# Altium PCB PS1-1B-BASIS.PcbDoc (part 5 of 7)
Units mm, origin at the board's own origin, x right, y up, seen from the top; angles counter-clockwise.
Board outline 88 x 170 mm, 6 copper layers (Top Layer, Mid 1, Mid 2 (GND), Mid 3 (PWR), Mid 4, Bottom Layer), stack 1.55 mm thick; 633 components, 333 nets, 1767 pads, 930 vias.
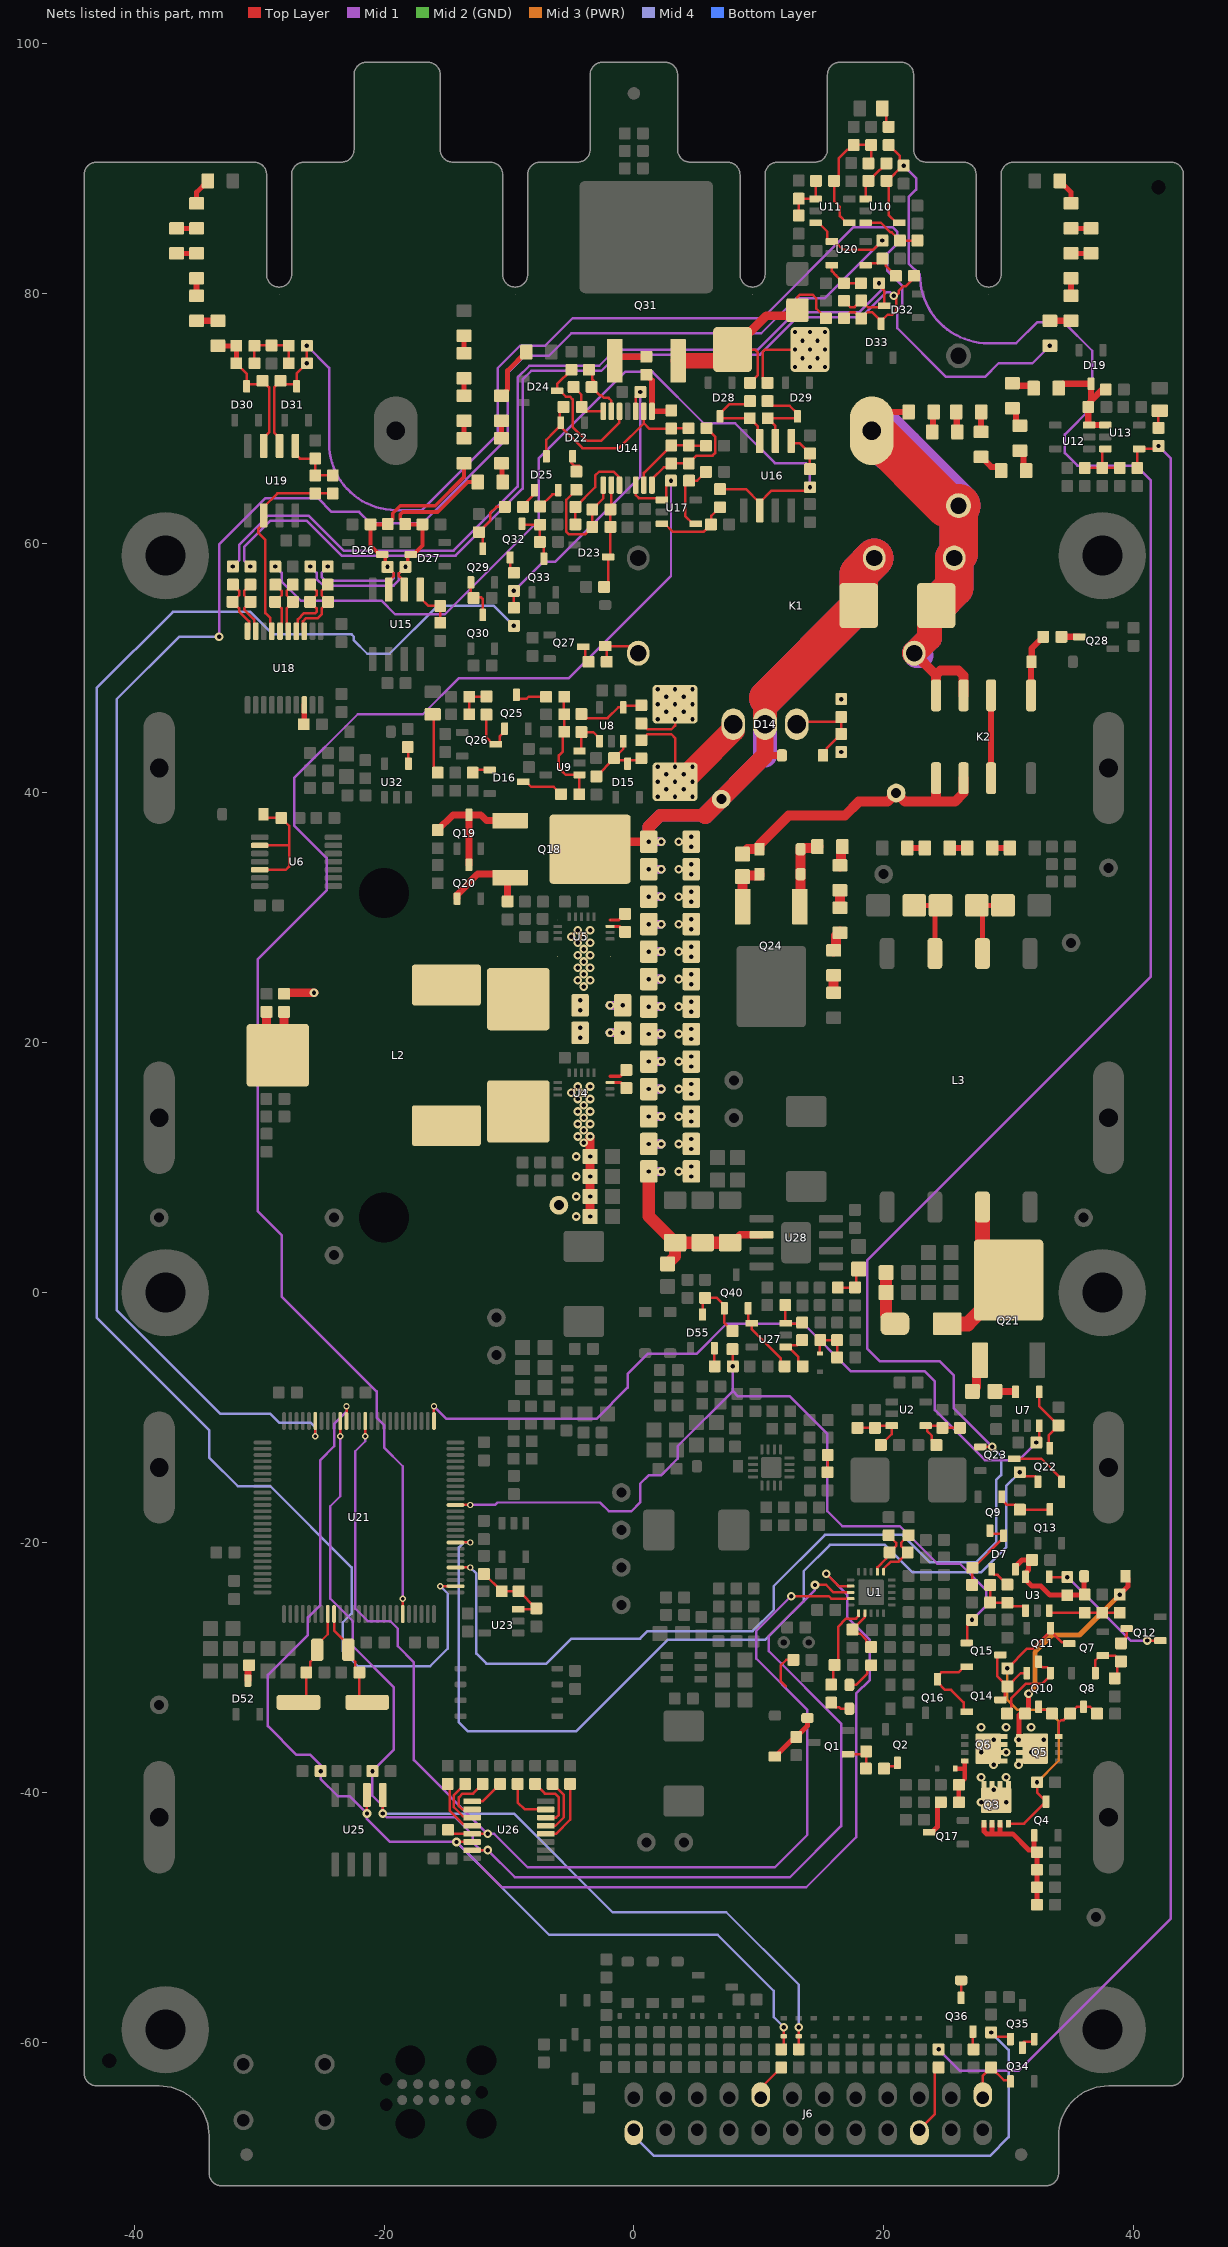
[diagram p9: the nets of this part, all layers, seen from the top]

## Via types
v1: diameter 0.7, hole 0.35, Top Layer to Bottom Layer, tented both sides, 808 vias
v2: diameter 0.5, hole 0.3, Top Layer to Bottom Layer, tented both sides, 94 vias
v3: diameter 0.7, hole 0.35, Top Layer to Bottom Layer, 28 vias

## Nets (pads, with @x,y where several pads share a name; then routed paths per layer and width w, separated by ;. In a path a pad name is that pad's centre, name@x,y a point inside that pad or via, vN(x,y) a via of type N, cw(c..) or ccw(c..) an arc to the next point about the centre after c; other vN are vias at no path point) (continued)
GND_PWR: C18.2 C19.2 C20.2 C21.2 C22.2 C23.2 C24.2 C25.2 C26.2 C27.2 C28.2 C29.2 C30.2 C31.2 C32.2 C33.2 C34.2 C35.2 C36.2 C52.2 NT1.2 R48.2 R89.2 R92.2 R94.2 R129.2 R130.1 TP5.1 U4.6 U4.17 U5.6 U5.17 | length 32.1
  Top Layer w0.2: R94.2@0.6,45.575 1.075,45.1 3,45.1 3.3,45.4 v1(3.3,45.9) 3.3,46.1 v1(3.3,47.1) ; R130.1@10.7,72.825 10.3,73.225 10.3,75.3 10.5,75.5 v1(12.9,75.5) v1(14.1,75.5)
  Top Layer w0.7: R48.2@-28,23.925 -27.925,24 v1(-25.6,24) ; v1(-4.3,20.4) C31.2@-4.3,20.8 v1(-4.3,21.2) ; v1(-4.3,22.6) C30.2@-4.3,23 v1(-4.3,23.4) ; v1(-3.5,6.1) v1(-3.5,7.7) v1(-3.5,9.3) v1(-3.5,10.9) v1(-3.5,12.5) ; v1(4.6,9.3) C28.2@4.6,9.7 v1(4.6,10.1) ; v1(4.6,11.5) C25.2@4.6,11.9 v1(4.6,12.3) ; v1(4.6,13.7) C29.2@4.6,14.1 v1(4.6,14.5) ; v1(4.6,15.9) C26.2@4.6,16.3 v1(4.6,16.7) ; v1(4.6,18.1) C22.2@4.6,18.5 v1(4.6,18.9) ; v1(4.6,20.3) C33.2@4.6,20.7 v1(4.6,21.1) ; v1(4.6,22.5) C34.2@4.6,22.9 v1(4.6,23.3) ; v1(4.6,24.7) C35.2@4.6,25.1 v1(4.6,25.5) ; v1(4.6,26.9) C36.2@4.6,27.3 v1(4.6,27.7) ; v1(4.6,29.1) C24.2@4.6,29.5 v1(4.6,29.9) ; v1(4.6,31.3) C23.2@4.6,31.7 v1(4.6,32.1) ; v1(4.6,33.5) C32.2@4.6,33.9 v1(4.6,34.3) ; v1(4.6,35.7) C27.2@4.6,36.1 v1(4.6,36.5)
  other v1: -4.6,6.1 -4.6,7.7 -4.6,9.3 3.6,9.7 -4.6,10.9 3.6,11.9 -4,12 -4.5,12.5 -4,13 -4.5,13.5 -3.5,13.5 -4,14 3.6,14.1 -4.5,14.5 -3.5,14.5 -4,15 -4.5,15.5 -3.5,15.5 -5,16 -4,16 3.6,16.3 -4.5,16.5 -3.5,16.5 3.6,18.5 3.6,20.7 3.6,22.9 -4,24.5 -4.5,25 -3.5,25 3.6,25.1 -4,25.5 -4.5,26 -3.5,26 -4,26.5 -4.5,27 -3.5,27 3.6,27.3 -4,27.5 -4.5,28 -3.5,28 -5,28.5 -4,28.5 -4.5,29 -3.5,29 3.6,29.5 3.6,31.7 3.6,33.9 3.6,36.1 16.6,43.275 1.9,45.9 4.7,45.9 2.6,46.5 4,46.5 1.9,47.1 4.7,47.1 16.6,47.5 2.6,47.7 4,47.7 1.9,48.3 3.3,48.3 4.7,48.3 12.9,74.1 14.1,74.1 15.3,74.1 13.5,74.8 14.7,74.8 15.3,75.5 13.5,76.2 14.7,76.2 12.9,76.9 14.1,76.9 15.3,76.9
HV_CTRL.EN: Q22.1@32.35,-15.15 R73.1 U21.34 | length 78
  Top Layer w0.2: U21.34@-14.275,-20 v2(-13.1,-20) ; v1(30.9,-14.375) 31.225,-14.7 32.125,-14.7 32.35,-14.925 Q22.1@32.35,-15.15
  Mid 4 w0.2: v2(-13.1,-20) -13.6,-20 -14,-20.4 -14,-34.4 -13.3,-35.1 -4.6,-35.1 2.7,-27.8 10.5,-27.8 13.6,-24.7 13.6,-22.3 15.7,-20.2 20.1,-20.2 22.3,-22.4 27.8,-22.4 29.8,-20.4 29.8,-15.475 v1(30.9,-14.375)
HV_CTRL.PRIM: R70.1 U7.3 U21.51 | length 61.5
  Top Layer w0.2: U21.51@-16,-10.275 v2(-16,-9.1) ; v1(32.225,-12) 32.45,-11.775 U7.3@32.45,-10.65
  Mid 1 w0.2: v2(-16,-9.1) -15,-10.1 -3,-10.1 -0.5,-7.6 -0.5,-6.5 1.1,-4.9 5,-4.9 7.4,-2.5 13.6,-2.5 17.4,-6.3 23.3,-6.3 24.1,-7.1 24.1,-9.4 28.1,-13.4 30.825,-13.4 v1(32.225,-12)
HV_DET: R118.2 R120.2 R219.1 U13.4 | length 145.9
  Top Layer w0.2: R118.2@40.3,66.025 40.3,67.4 U13.4@40.45,67.55 41.775,67.55 v1(42,67.775)
  Mid 1 w0.2: v1(24.4,-60.575) 26.125,-62.3 30.8,-62.3 43,-50.1 43,66.775 v1(42,67.775)
HV_DET_UI: J6.19 R219.2 | length 5.6
  Top Layer w0.2: J6.19@22.86,-67 24.1,-65.76 24.1,-62.325 R219.2@24.4,-62.025
HW_ID_0: R249.1 U26.4 | length 5.3
  Top Layer w0.2: U26.4@-7.05,-43.325 -6.225,-43.325 -5.1,-42.2 R249.1@-5.1,-39.325
HW_ID_1: R248.1 U26.5 | length 4.8
  Top Layer w0.2: U26.5@-7.05,-42.675 -6.275,-42.675 -5.6,-42 -5.6,-40.225 R248.1@-6.5,-39.325
HW_ID_2: R247.1 U26.6 | length 4.9
  Top Layer w0.2: R247.1@-7.9,-39.325 -7.125,-40.1 -6.3,-40.1 -6,-40.4 -6,-41.8 -6.225,-42.025 U26.6@-7.05,-42.025
HW_ID_3: R246.1 U26.7 | length 4
  Top Layer w0.2: R246.1@-9.3,-39.325 -9.3,-40.8 -8.725,-41.375 U26.7@-7.05,-41.375
HW_ID_4: R245.1 U26.9 | length 2.8
  Top Layer w0.2: U26.9@-12.95,-40.725 -12.1,-40.725 R245.1@-10.7,-39.325
HW_ID_5: R244.1 U26.10 | length 4.2
  Top Layer w0.2: U26.10@-12.95,-41.375 -13.725,-41.375 -14,-41.1 -14,-40.4 -13.7,-40.1 -12.875,-40.1 R244.1@-12.1,-39.325
HW_ID_6: R243.1 U26.11 | length 4
  Top Layer w0.2: R243.1@-13.5,-39.325 -14.4,-40.225 -14.4,-41.195 -13.695,-41.9 -13.075,-41.9 U26.11@-12.95,-42.025
HW_ID_7: R242.1 U26.12 | length 4.5
  Top Layer w0.2: R242.1@-14.9,-39.325 -14.75,-39.475 -14.75,-41.471 -13.671,-42.55 -13.075,-42.55 U26.12@-12.95,-42.675
I2C.ALERT: R241.2 U1.14 U21.62 U26.13 | length 96.7
  Top Layer w0.2: v2(-21.5,-11.5) U21.62@-21.5,-10.275 ; R241.2@-14.875,-43 -14.55,-43.325 U26.13@-12.95,-43.325 v1(-11.7,-43.325) ; v1(12.6,-24.3) 15.6,-24.3 15.8,-24.5 U1.14@17.35,-24.5
  Mid 1 w0.2: v2(-21.5,-11.5) -21.5,-11.9 -22.3,-12.7 -22.3,-25.3 -21.3,-26.3 -19.5,-26.3 -18.9,-26.9 -18.9,-28.3 -17.6,-29.6 -17.6,-37.425 v1(-11.7,-43.325) -11.175,-43.325 -8.5,-46 11.3,-46 13.9,-43.4 13.9,-33.4 9.8,-29.3 9.8,-27.1 v1(12.6,-24.3)
I2C.SCL: D35.1 R207.1 R239.2 U1.12 U21.65 U25.6 U26.14 | length 148
  Top Layer w0.2: U21.65@-23,-10.275 v2(-23,-9.1) ; v1(-21.365,-41.7) U25.6@-21.365,-40.22 ; v1(-14.2,-43.975) U26.14@-12.95,-43.975 ; R207.1@11.8,-60.575 12.1,-60.275 12.075,-60.275 12,-60.2 D35.1@12,-59.525 v1(12,-58.8) ; v1(15.4,-22.5) 16.4,-23.5 U1.12@17.35,-23.5
  Mid 1 w0.2: v2(-23,-9.1) -23,-9.5 -24,-10.5 -24,-12.3 -25.1,-13.4 -25.1,-25 -26.1,-26 -26.1,-27.4 -29.3,-30.6 -29.3,-34.7 -27,-37 -25.9,-37 -25.075,-37.825 v1(-25.075,-38.3) -25.075,-38.925 -23.7,-40.3 -22.765,-40.3 v1(-21.365,-41.7) -21.365,-42.135 -19.525,-43.975 v1(-14.2,-43.975) -10.575,-47.6 13.8,-47.6 17.8,-43.6 17.8,-32.1 18.9,-31 18.9,-27.8 17.1,-26 17.1,-24.2 v1(15.4,-22.5)
  Mid 4 w0.2: v1(-14.2,-43.975) -6.775,-51.4 6.7,-51.4 11.2,-55.9 11.2,-58 v1(12,-58.8)
I2C.SDA: D36.1 R209.1 R240.2 U1.13 U21.66 U25.5 U26.15 | length 149
  Top Layer w0.2: v2(-23.5,-11.5) U21.66@-23.5,-10.275 ; v1(-20.095,-41.7) U25.5@-20.095,-40.22 ; U26.15@-12.95,-44.625 v1(-11.7,-44.625) ; R209.1@13.2,-60.575 D36.1@13.2,-59.525 v1(13.2,-58.8) ; v1(14.5,-23.4) 15.4,-23.4 16,-24 U1.13@17.35,-24
  Mid 1 w0.2: v2(-23.5,-11.5) -23.5,-16.3 -24.3,-17.1 -24.3,-24.5 -22.5,-26.3 -22.5,-28.3 -19.2,-31.6 -19.2,-36.575 v1(-20.925,-38.3) -20.925,-40.275 -20.095,-41.105 v1(-20.095,-41.7) -19.795,-42 -14.3,-42 -12.9,-43.4 -12.9,-44 -12.275,-44.625 v1(-11.7,-44.625) -9.525,-46.8 12.5,-46.8 16.6,-42.7 16.6,-34.5 10.8,-28.7 10.8,-27.5 14.5,-23.8 v1(14.5,-23.4)
  Mid 4 w0.2: v1(-20.095,-41.7) -9.6,-41.7 -1.7,-49.6 7.4,-49.6 13.2,-55.4 v1(13.2,-58.8)
I2C_SCL_UI: J6.10 R207.2 | length 3.1
  Top Layer w0.2: J6.10@10.16,-64.46 10.16,-63.665 R207.2@11.8,-62.025
I_1A_REF: R153.1 U21.27 | length 143.1
  Top Layer w0.2: v2(-15.5,-23.5) U21.27@-14.275,-23.5
  Mid 4 w0.2: v2(-15.5,-23.5) -14.9,-24.1 -14.9,-28.5 -16.3,-29.9 -22.1,-29.9 -23.3,-28.7 -23.3,-26.4 -22.6,-25.7 -22.6,-22 -29.1,-15.5 -31.7,-15.5 -34,-13.2 -34,-11 -43,-2 -43,48.4 -36.9,54.5 -30.7,54.5 -28.9,52.7 -22.6,52.7 -22.405,52.505 -22.405,52.21 -21.34,51.145 -19.555,51.145 -15.725,54.975 -11.2,54.975 v1(-9.6,53.375)
I_ISO: R202.2 U11.3 U20.1@15.85,84.15 U21.70 | length 163.1
  Top Layer w0.2: v2(-25.5,-11.5) U21.70@-25.5,-10.275 ; U11.3@14.55,85.65 14.775,85.65 15.5,84.925 15.5,84.3 15.65,84.15 U20.1@15.85,84.15 16.075,84.15 16.725,83.5 19.175,83.5 v1(19.9,84.225)
  Mid 1 w0.2: v1(-33.2,52.5) -33.2,59.9 -29.5,63.6 -25.3,63.6 -24.2,62.5 -22,62.5 -21.1,61.6 -16.9,61.6 -10.1,68.4 -10.1,73.6 -8.7,75 -6.8,75 -5,76.8 10.2,76.8 13,79.6 15.275,79.6 v1(19.9,84.225)
  Mid 4 w0.2: v1(-33.2,52.5) -36.4,52.5 -41.4,47.5 -41.4,-1.4 -33.1,-9.7 -29.1,-9.7 -28.4,-10.4 -25.9,-10.4 -25.5,-10.8 v2(-25.5,-11.5)
I_ISO_N: C62.2 D33.3 R127.2 R199.2 R201.1 | length 79.3
  Top Layer w0.2: R127.2@16.825,78 17.325,78.5 17.675,78.5 C62.2@18.2,77.975 18.725,78.5 19.075,78.5 D33.3@19.8,77.775 ; D33.3@19.8,77.55 D33.3@19.8,77.775 ; R201.1@22.425,81.4 22.425,81.225 21.75,80.55 21.551,80.55 21.2,80.199 21.2,80 21,79.8 v1(20.8,79.8) 21,79.6 21,78.6 20.7,78.3 20.325,78.3 D33.3@19.8,77.775
  Mid 1 w0.2: v1(-30.7,58.125) -31.2,58.625 -31.2,59.7 -29.1,61.8 -26.2,61.8 -23.4,59 -14.26,59 -8.9,64.36 -8.9,73.1 -8.2,73.8 -2.6,73.8 -1.3,75.1 10.1,75.1 13.1,78.1 18.226,78.1 20.226,80.1 20.5,80.1 v1(20.8,79.8)
I_ISO_P: C62.1 D32.3 R125.2 R198.2 R200.1 | length 75.9
  Top Layer w0.2: R125.2@16.825,79.4 17.325,78.9 17.675,78.9 C62.1@18.2,79.425 18.725,78.9 19.95,78.9 D32.3@20.05,79 20.05,80.175 19.525,80.7 v1(19.625,80.8)
  Mid 1 w0.2: v1(-32.1,58.125) -31.6,58.625 -31.6,59.866 -29.266,62.2 -26.034,62.2 -23.234,59.4 -14.426,59.4 -9.3,64.526 -9.3,73.266 -8.366,74.2 -2.766,74.2 -1.466,75.5 9.934,75.5 12.934,78.5 18.06,78.5 19.9,80.34 19.9,80.525 v1(19.625,80.8)
I_OUT: R175.2 U14.5 U17.1@2.25,63.45 U21.20 | length 124.6
  Top Layer w0.2: U21.20@-18.5,-25.725 v2(-18.5,-24.5) ; U14.5@0.15,64.65 0.15,63.85 0.4,63.6 2.1,63.6 U17.1@2.25,63.45 2.45,63.45 2.6,63.6 2.6,64.625 v1(2.975,65)
  Mid 1 w0.2: v2(-18.5,-24.5) -18.5,-13.9 -20,-12.4 -20,-10.6 -20.6,-10 -20.6,-7.9 -28.2,-0.3 -28.2,4.6 -30.1,6.5 -30.1,26.7 -24.6,32.2 -24.6,34.8 -27.2,37.4 -27.2,41.2 -22.1,46.3 -16.9,46.3 -14,49.2 -5.2,49.2 2.975,57.375 v1(2.975,65)
I_OUT_N: C63.2 D29.3 R130.2 U16.2 | length 7.5
  Top Layer w0.2: R130.2@10.7,71.375 11.075,71 12.475,71 13.1,70.375 D29.3@13.1,70.15 12.95,70 C63.2@10.725,70 11.335,69.39 U16.2@11.335,68.18
I_OUT_P: C63.1 D28.3 R128.2 U16.3 | length 7.6
  Top Layer w0.2: R128.2@9.3,71.375 9.025,71.1 7.625,71.1 6.9,70.375 D28.3@6.9,70.15 7.05,70 C63.1@9.275,70 9.9,69.375 9.9,68.345 U16.3@10.065,68.18
ISO_I_SRC: D10.2 Q24.2 R74.1 | length 3.9
  Top Layer w0.8: Q24.2@8.7,30.914 R74.1@8.7,33.3 8.8,33.4 10.05,33.4 D10.2@10.05,33.5
LV_SW_PRIM: L1.1 L2.1 U4.5
LV_SW_SEC: L1.2 L2.2 U5.5
NetC1_1: C1.1 R1.2 U1.17 | length 3.9
  Top Layer w0.2: U1.17@18.5,-25.65 18.5,-25.975 C1.1@17.5,-26.975 17.825,-27.3 18.127,-27.3 18.625,-27.798 18.625,-28 R1.2@19,-28.375
NetC4_1: C4.1 R2.2 U1.16 | length 7.3
  Top Layer w0.2: R2.2@15.8,-31.375 15.825,-31.4 15.95,-31.275 C4.1@15.95,-29.925 ; C4.1@16.075,-29.8 C4.1@15.95,-29.925 ; U1.16@18,-25.65 18,-25.9 17.8,-26.1 17,-26.1 16.35,-26.75 16.35,-29.525 C4.1@15.95,-29.925
NetC10_1: C10.1 R11.1 U1.7 | length 3.8
  Top Layer w0.2: U1.7@19.5,-22.35 19.5,-22 20.2,-21.3 20.2,-21.075 C10.1@20.475,-20.8 21,-20.275 21,-20.025 R11.1@20.4,-19.425
NetC10_2: C10.2 R13.1 U1.6 | length 4.6
  Top Layer w0.2: U1.6@20,-22.35 20,-22.1 20.575,-21.525 21.2,-21.525 C10.2@21.925,-20.8 21.4,-20.275 21.4,-20.025 R13.1@22,-19.425
NetC12_2: C12.2 R17.2 R18.2 U2.3 | length 4.7
  Top Layer w0.2: R17.2@17.9,-10.825 C12.2@19.3,-10.825 19.475,-10.65 U2.3@20.65,-10.65 20.65,-11.325 R18.2@19.775,-12.2
NetC14_1: C14.1 R19.2 R20.1 U2.4 | length 4.7
  Top Layer w0.2: R19.2@24.225,-12.2 23.85,-11.825 23.85,-11.45 23.5,-11.1 23.5,-10.8 U2.4@23.35,-10.65 24.7,-10.65 24.875,-10.825 R20.1@26.1,-10.825
NetC16_1: C16.1 D5.1 D7.2 R35.1 R37.1 U3.5 | length 10.3
  Top Layer w0.4: D7.2@30.55,-22.15 30.55,-21.925 31.075,-21.4 C16.1@31.875,-21.4 31.6,-21.675 31.6,-22.206 31.35,-22.456 U3.5@31.35,-22.75 31.35,-22.975 31.875,-23.5 32.6,-23.5 33.3,-24.2 34.725,-24.2 36.075,-24.2 R35.1@36.1,-24.175 36.05,-24.125 D5.1@36.05,-22.7
NetC17_1: C17.1 R39.2 R44.2 U3.1@31.35,-25.45 | length 4.6
  Top Layer w0.2: R39.2@28.525,-23.4 C17.1@28.525,-24.8 28.55,-24.825 R44.2@29.9,-24.825 30.175,-25.1 31.2,-25.1 31.35,-25.25 U3.1@31.35,-25.45
NetC39_1: C39.1 U4.10 | length 1.5
  Top Layer w0.25: U4.10@-1.9,16.825 -1.05,16.825 C39.1@-0.6,16.375
NetC39_2: C39.2 U4.11 | length 1.5
  Top Layer w0.25: U4.11@-1.9,17.325 -1.1,17.325 C39.2@-0.6,17.825
NetC40_1: C40.1 U5.10 | length 1.4
  Top Layer w0.25: U5.10@-1.9,29.325 -1.15,29.325 C40.1@-0.7,28.875
NetC40_2: C40.2 U5.11 | length 1.4
  Top Layer w0.25: U5.11@-1.9,29.825 -1.2,29.825 C40.2@-0.7,30.325
NetC48_2: C48.2 D9.1 R62.2 | length 4.4
  Top Layer w0.95: R62.2@20.2,1.6 C48.2@20.2,0 20.2,-1.8 D9.1@20.9,-2.5
NetC51_1: C51.1 R80.2 R81.1 | length 2.8
  Top Layer w0.2: R80.2@-13.175,46.3 C51.1@-13.175,47.7 -13.162,47.713 -11.813,47.713 R81.1@-11.8,47.725
NetC52_1: C52.1 D13.2 D14.3 R89.1 | length 7.5
  Top Layer w0.2: D14.3@13.04,45.5 13.24,45.7 16.225,45.7 R89.1@16.6,46.075 C52.1@16.6,44.725 15.425,43.55 15.425,43.275 D13.2@15.15,43
NetC55_1: C55.1 R98.1 R102.1 R105.2 U11.4 | length 10.6
  Top Layer w0.2: U11.4@17.25,85.65 17.025,85.65 16.5,86.175 16.5,86.9 16.025,87.375 R105.2@16.025,89 16.4,89.375 16.4,90.8 17.1,91.5 17.225,91.5 R98.1@17.6,91.875 C55.1@19,91.875 19,90.625 R102.1@18.775,90.4
NetC60_1: C60.1 D19.3 R119.2 R121.1 U12.3 U13.1@37.75,69.45 | length 9.7
  Top Layer w0.5: C60.1@36.6,71.175 D19.3@36.6,72.75 R119.2@34.35,72.75 ; U13.1@37.75,69.45 U12.3@36.45,69.45 36.375,69.525 C60.1@36.375,70.9 36.375,71.175 36.575,71.375 37.5,72.3 R121.1@37.775,72.3 ; R119.2@34.35,72.75 R119.2@34,72.4 R119.2@34.35,72.75
NetC61_1: C61.1 R117.2 R122.1 U13.3 | length 4.6
  Top Layer w0.2: R122.1@36.1,66.025 C61.1@37.5,66.025 ; U13.3@37.75,67.55 37.5,67.55 C61.1@37.5,66.025 ; R117.2@38.9,66.025 C61.1@37.5,66.025
NetC64_1: C64.1 R132.1 R135.1 U14.1 | length 9.8
  Top Layer w0.2: R132.1@-4.6,64.275 -5.4,63.475 -5.4,60.9 -5.2,60.7 -3.925,60.7 R135.1@-3.325,61.3 C64.1@-3.325,62.7 -2.45,63.575 U14.1@-2.45,64.65
NetC64_2: C64.2 D23.3 R133.1 R135.2 U14.2 | length 8.4
  Top Layer w0.2: R133.1@-2.375,56.5 -2.05,56.825 D23.3@-2.05,58.9 -1.875,59.075 R135.2@-1.875,61.3 C64.2@-1.875,62.7 -1.8,62.775 U14.2@-1.8,64.65
NetC65_1: C65.1 C66.1 D22.2 D25.3 R143.2 U14.9 | length 20.4
  Top Layer w0.2: D25.3@-7,66.95 -7,68.275 -6.338,68.937 D22.2@-5.9,69.375 ; D22.2@-5.95,69.425 -4.125,67.6 ; D22.2@-5.95,69.65 -5.95,70.575 -5.788,70.738 C65.1@-5.625,70.9 ; U14.9@0.8,70.55 0.8,69.6 ; R143.2@4.375,69.2 3.025,69.2 C66.1@3,69.175 1.225,69.175 0.8,69.6 ; D22.2@-5.9,69.375 D22.2@-5.85,69.425 ; D22.2@-5.9,69.375 -4.125,67.6 ; D22.2@-5.9,69.375 D22.2@-5.85,69.425 ; D22.2@-5.85,69.425 D22.2@-5.85,69.65 D22.2@-5.85,69.425 ; -4.125,67.6 -1.2,67.6 0.8,69.6
NetC65_2: C65.2 R138.1 U14.14 | length 3.7
  Top Layer w0.2: R138.1@-4.825,72.5 -4.2,71.875 -4.2,70.925 -3.825,70.55 U14.14@-2.45,70.55
NetC66_2: C66.2 R144.1 U14.8 | length 4.7
  Top Layer w0.45: R144.1@1,73.475 1.45,73.025 U14.8@1.45,70.55 2.925,70.55 C66.2@3,70.625
NetC67_1: C67.1 R143.1 R145.1 U14.7 | length 8.7
  Top Layer w0.2: U14.7@1.45,64.65 1.45,65.125 2.4,66.075 2.7,66.075 C67.1@3,66.375 R145.1@4.4,66.375 5.025,67 6.3,67 6.5,67.2 6.5,68.525 R143.1@5.825,69.2
NetC67_2: C67.2 R145.2 R146.1 U14.6 | length 6.9
  Top Layer w0.2: U14.6@0.8,64.65 0.8,65.625 C67.2@3,67.825 R145.2@4.4,67.825 4.412,67.813 5.763,67.813 R146.1@5.775,67.8
NetC70_1: C70.1 R151.2 R153.2 U14.10 | length 23.7
  Top Layer w0.2: R153.2@-9.6,54.825 v1(-9.6,56.175) ; U14.10@0.15,70.55 0.15,71.725 v1(0.525,72.1)
  Mid 1 w0.2: v1(-9.6,56.175) -7.275,58.5 -6.3,58.5 0.525,65.325 v1(0.525,72.1)
NetC71_1: C71.1 D26.3 R157.1 R158.1 R159.1 R169.1 U15.3 | length 24.7
  Top Layer w0.2: v1(-19.725,58.1) -19.2,57.575 -19.2,57.365 -19.635,56.93 U15.3@-19.635,56.28
  Top Layer w0.3: D26.3@-20.264,59.175 -20.45,59.175 -21.075,59.8 R158.1@-21.075,61.5 R159.1@-19.725,61.5 ; D26.3@-20.15,59.1 -19.9,58.85 -19.9,58.275 v1(-19.725,58.1) ; R159.1@-19.7,61.525 -19.3,61.925 -19.3,62.4 -18.7,63 -15.9,63 -13.6,65.3 R157.1@-13.6,66.4
  Mid 1 w0.2: v1(-24.5,58.125) -25,57.625 -25,57.3 -24.7,57 -19.4,57 -19.2,57.2 -19.2,57.575 v1(-19.725,58.1)
NetC71_2: C71.2 D27.3 R161.2 R162.2 R167.2 R168.1 U15.2 | length 25.2
  Top Layer w0.2: U15.2@-18.365,56.28 -18.365,56.93 -18.8,57.365 -18.8,57.575 v1(-18.275,58.1)
  Top Layer w0.3: v1(-18.275,58.1) -18.1,58.275 -18.1,58.85 D27.3@-17.85,59.1 ; D27.3@-17.736,59.175 -17.55,59.175 -16.925,59.8 R161.2@-16.925,61.5 -18.275,61.5 R162.2@-18.3,61.525 -18.7,61.925 -18.7,62.3 -18.5,62.5 -15.7,62.5 -13.3,64.9 R167.2@-12.5,64.9
  Mid 1 w0.2: v1(-25.9,58.125) -25.4,57.625 -25.4,57.134 -24.866,56.6 -19.234,56.6 -18.8,57.034 -18.8,57.575 v1(-18.275,58.1)
NetC74_1: C74.1 R168.2 U18.4 | length 5.6
  Top Layer w0.2: U18.4@-27.025,52.95 -26.9,53.075 -26.9,53.9 -26.4,54.4 -25.5,54.4 -25.4,54.5 -25.4,54.775 C74.1@-25.925,55.3 -25.4,55.825 -25.4,56.175 R168.2@-25.9,56.675
NetC74_2: C74.2 R169.2 U18.3 | length 5.6
  Top Layer w0.2: U18.3@-26.375,52.95 -26.5,53.075 -26.5,53.734 -26.234,54 -25.3,54 -25,54.3 -25,54.775 C74.2@-24.475,55.3 -25,55.825 -25,56.175 R169.2@-24.5,56.675
NetC79_1: C79.1 R176.2 U18.5 | length 4.4
  Top Layer w0.2: U18.5@-27.675,52.95 -27.8,53.075 -27.8,54.775 C79.1@-27.275,55.3 -27.8,55.825 -27.8,56.175 R176.2@-27.3,56.675
NetC79_2: C79.2 R177.2 U18.6 | length 4.4
  Top Layer w0.2: R177.2@-28.7,56.675 -28.2,56.175 -28.2,55.825 C79.2@-28.725,55.3 -28.2,54.775 -28.2,53.075 U18.6@-28.325,52.95
NetC80_1: C80.1 R186.1 U18.7 U19.6 | length 16.5
  Top Layer w0.2: U18.7@-28.975,52.95 -29.1,53.075 -29.1,54 -29.5,54.4 -29.5,60.266 -30.05,60.816 -30.05,61.155 -29.635,61.57 U19.6@-29.635,62.22 -29.635,62.87 -28.53,63.975 C80.1@-25.5,63.975 R186.1@-24.1,63.975
NetC80_2: C80.2 R186.2 R190.1 U19.1@-27.095,67.78 | length 5.1
  Top Layer w0.2: U19.1@-27.095,67.78 -27.095,67.13 -26.74,66.775 R190.1@-25.5,66.775 C80.2@-25.5,65.425 R186.2@-24.1,65.425
NetC81_1: C81.1 D30.3 R183.2 R184.1 R185.1 U19.3 | length 12.1
  Top Layer w0.2: R184.1@-31.825,74.4 -31,73.575 D30.3@-31,72.55 -30.85,72.7 -30.025,72.7 C81.1@-29.725,73 -29.2,72.475 -29.2,68.865 -29.635,68.43 U19.3@-29.635,67.78
  Top Layer w0.4: R183.2@-33.3,75.8 R185.1@-31.825,75.8 R184.1@-31.825,74.4
NetC81_2: C81.2 D31.3 R188.2 R189.2 R196.2 U19.2 | length 103.9
  Top Layer w0.2: U19.2@-28.365,67.78 -28.365,68.43 -28.8,68.865 -28.8,72.475 C81.2@-28.275,73 -27.975,72.7 -27.15,72.7 D31.3@-27,72.55 -27,73.575 v1(-26.175,74.4) v1(-26.175,75.8)
  Mid 1 w0.2: v1(-26.175,75.8) -24.4,74.025 -24.4,68 ccw(c-19.05,68) -19.05,62.65 -16.95,62.65 -10.9,68.7 -10.9,74 -9.1,75.8 -7.1,75.8 -4.9,78 10.3,78 17.6,85.3 20.7,85.3 21.1,84.9 21.1,84 20.3,83.2 20.3,81.8 21.481,80.619 21.481,79.081 21.1,78.7 21.1,77.2 25,73.3 28.1,73.3 29.2,74.4 31.9,74.4 v1(33.3,75.8)
NetC82_1: C82.1 U18.18 | length 1.6
  Top Layer w0.45: C82.1@-26.425,45.5 -26.375,45.55 U18.18@-26.375,47.05
NetC83_1: C83.1 R198.1 U18.10 | length 4.8
  Top Layer w0.2: R198.1@-32.1,56.675 -31.6,56.175 -31.6,55.825 C83.1@-32.125,55.3 -31.6,54.775 -31.6,54.534 -30.8,53.734 -30.8,53.075 U18.10@-30.925,52.95
NetC83_2: C83.2 R199.1 U18.9 | length 4.8
  Top Layer w0.2: R199.1@-30.7,56.675 -31.2,56.175 -31.2,55.825 C83.2@-30.675,55.3 -31.2,54.775 -31.2,54.7 -30.4,53.9 -30.4,53.075 U18.9@-30.275,52.95
NetC90_1: C90.1 U21.8 Y1.1 Y2.1 | length 8.2
  Top Layer w0.2: Y1.1@-26.85,-32.8 -26.6,-32.8 -26.225,-32.425 C90.1@-26.225,-30.4 -25.9,-30.075 -25.9,-29.55 -25.35,-29 Y2.1@-25.35,-28.6 ; Y2.1@-25.35,-28.608 -25.35,-28.2 -24.5,-27.35 U21.8@-24.5,-25.725
NetC91_1: C91.1 U21.9 Y1.2 Y2.2 | length 8.3
  Top Layer w0.2: U21.9@-24,-25.725 -24,-27.05 -22.85,-28.2 Y2.2@-22.85,-28.6 -22.85,-29 -22.299,-29.551 -22.299,-30.076 C91.1@-21.975,-30.4 -21.975,-32.425 -21.6,-32.8 Y1.2@-21.35,-32.8
NetC103_1: C103.1 R236.2 R237.2 R238.1 U23.3 | length 6.8
  Top Layer w0.2: R236.2@-12,-22.525 -11.975,-22.525 -10.6,-23.9 R237.2@-10.575,-23.9 R238.1@-9.225,-23.9 -9.2,-23.9 -7.825,-25.275 C103.1@-7.8,-25.275 -7.875,-25.35 U23.3@-9.25,-25.35